# KiCad board panel_joined.kicad_pcb (continued)
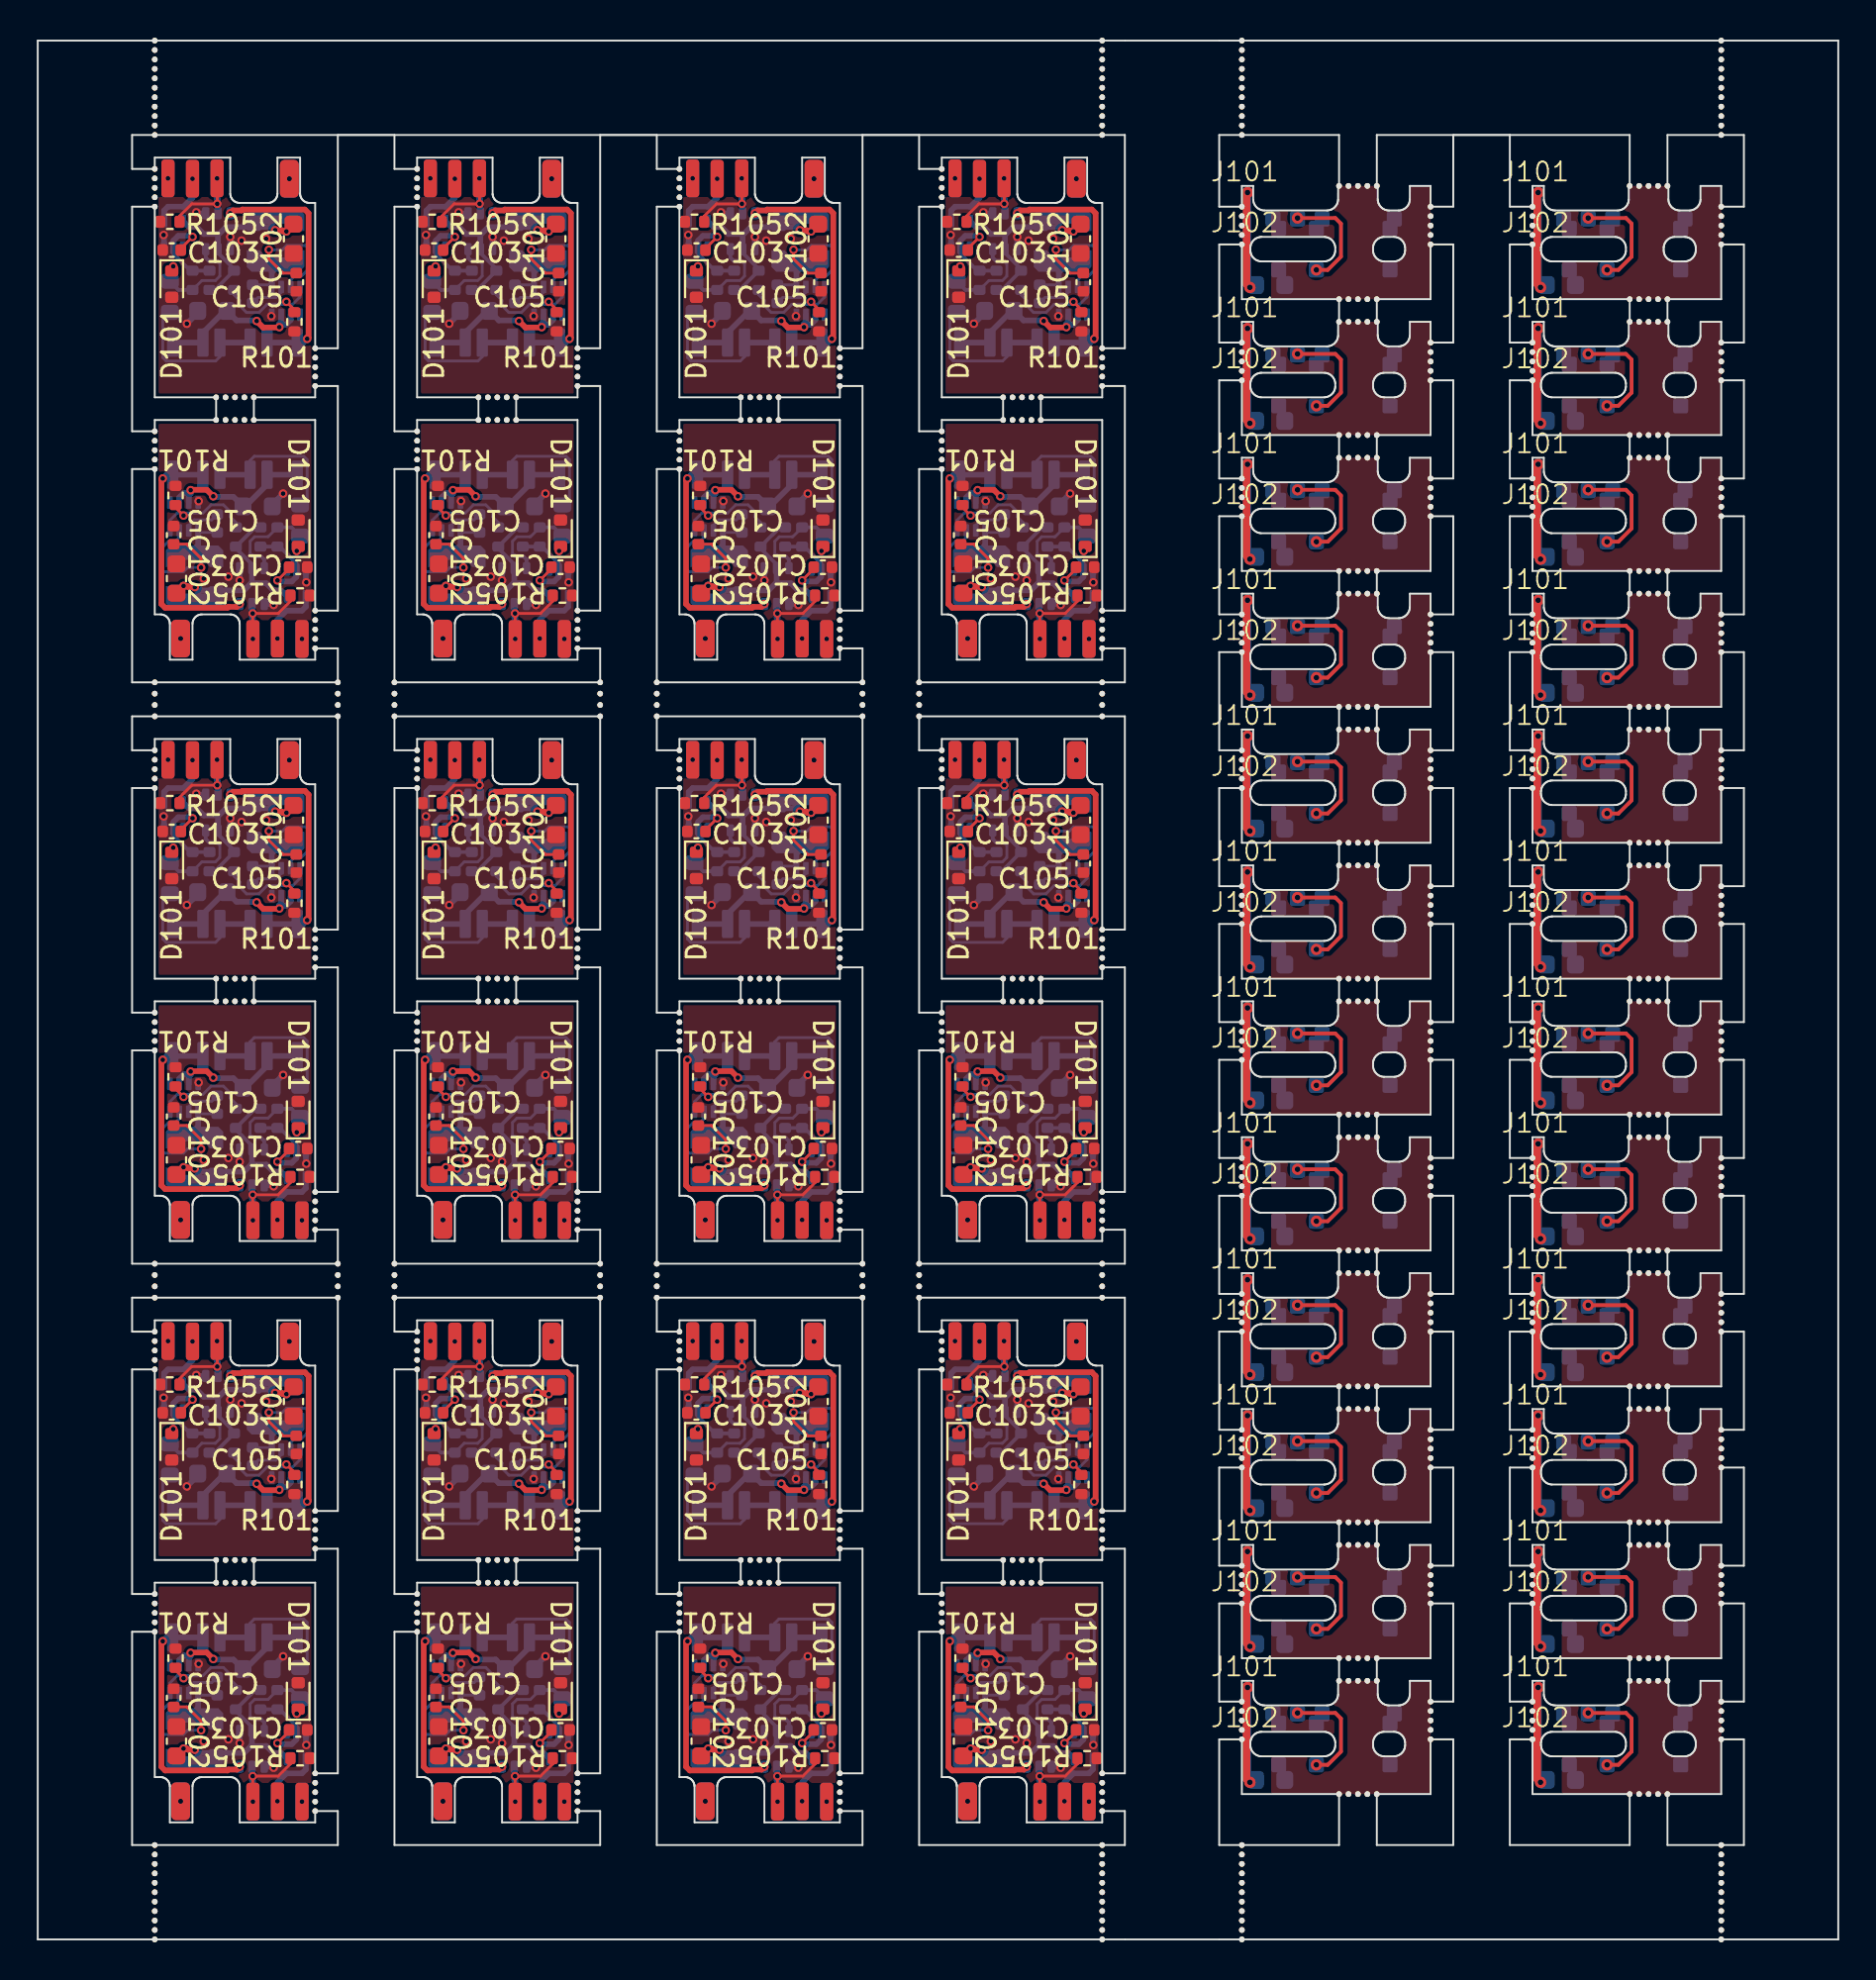
[diagram p0: board, top side]
## Routing (per net, layer and track width the routed paths; a pad name or vN(x,y) marks a point on that pad's centre or on a via; arc(x,y) is an arc through that point) (continued)
Board_1-Board_9-/IO5: length 6
  Top w0.2: v2(82.15,62.4) 84.15,62.4 84.45,62.1 84.45,60.35 83.75,59.65 v2(83.15,59.65)
  Bottom w0.2: 82.2,62.3 82.1,62.5 ; J101#24.2 v2(82.15,62.4)
Board_1-Board_9-unconnected-(AE101-Shield-Pad2): length 11
  Top w0.4: 79.45,63.8 79.45,58.9 79.7,58.65
  Bottom w0.4: AE101#21.2 79.75,58.85 v2(79.62,58.72) ; 79.45,58.9 79.7,58.65 ; 79.45,58.9 79.45,58.92 ; 79.45,58.9 79.5,58.95 79.5,60.41 79.44,60.47 79.44,61.03 79.5,61.09 v2(79.5,63.75) 79.45,63.8
Board_1-Board_10-/IO5: length 6
  Top w0.2: v2(66.75,55.2) 68.75,55.2 69.05,54.9 69.05,53.15 68.35,52.45 v2(67.75,52.45)
  Bottom w0.2: J101#3.2 v2(66.75,55.2) ; 66.8,55.1 66.7,55.3
Board_1-Board_10-unconnected-(AE101-Shield-Pad2): length 11
  Top w0.4: 64.3,51.45 64.05,51.7 64.05,56.6
  Bottom w0.4: 64.05,51.7 64.1,51.75 64.1,53.21 64.04,53.27 64.04,53.83 64.1,53.89 v2(64.1,56.55) 64.05,56.6 ; 64.05,51.7 64.3,51.45 ; 64.05,51.7 64.05,51.72 ; AE101#4.2 64.35,51.65 v2(64.22,51.52)
Board_1-Board_11-/IO5: length 6
  Top w0.2: v2(83.15,52.45) 83.75,52.45 84.45,53.15 84.45,54.9 84.15,55.2 v2(82.15,55.2)
  Bottom w0.2: 82.2,55.1 82.1,55.3 ; J101#18.2 v2(82.15,55.2)
Board_1-Board_11-unconnected-(AE101-Shield-Pad2): length 11
  Top w0.4: 79.7,51.45 79.45,51.7 79.45,56.6
  Bottom w0.4: v2(79.62,51.52) 79.75,51.65 AE101#11.2 ; 79.45,56.6 v2(79.5,56.55) 79.5,53.89 79.44,53.83 79.44,53.27 79.5,53.21 79.5,51.75 79.45,51.7 ; 79.45,51.7 79.7,51.45 ; 79.45,51.7 79.45,51.72
Board_1-Board_12-/IO5: length 6
  Top w0.2: v2(66.75,48) 68.75,48 69.05,47.7 69.05,45.95 68.35,45.25 v2(67.75,45.25)
  Bottom w0.2: J101#20.2 v2(66.75,48) ; 66.8,47.9 66.7,48.1
Board_1-Board_12-unconnected-(AE101-Shield-Pad2): length 11
  Top w0.4: 64.3,44.25 64.05,44.5 64.05,49.4
  Bottom w0.4: 64.05,49.4 v2(64.1,49.35) 64.1,46.69 64.04,46.63 64.04,46.07 64.1,46.01 64.1,44.55 64.05,44.5 ; AE101#17.2 64.35,44.45 v2(64.22,44.32) ; 64.05,44.5 64.3,44.25 ; 64.05,44.5 64.05,44.52
Board_1-Board_13-/IO5: length 6
  Top w0.2: v2(83.15,45.25) 83.75,45.25 84.45,45.95 84.45,47.7 84.15,48 v2(82.15,48)
  Bottom w0.2: J101#23.2 v2(82.15,48) ; 82.2,47.9 82.1,48.1
Board_1-Board_13-unconnected-(AE101-Shield-Pad2): length 11
  Top w0.4: 79.7,44.25 79.45,44.5 79.45,49.4
  Bottom w0.4: v2(79.62,44.32) 79.75,44.45 AE101.2 ; 79.45,44.52 79.45,44.5 ; 79.45,44.5 79.5,44.55 79.5,46.01 79.44,46.07 79.44,46.63 79.5,46.69 v2(79.5,49.35) 79.45,49.4 ; 79.45,44.5 79.7,44.25
Board_1-Board_14-/IO5: length 6
  Top w0.2: v2(67.75,38.05) 68.35,38.05 69.05,38.75 69.05,40.5 68.75,40.8 v2(66.75,40.8)
  Bottom w0.2: 66.8,40.7 66.7,40.9 ; J101#16.2 v2(66.75,40.8)
Board_1-Board_14-unconnected-(AE101-Shield-Pad2): length 11
  Top w0.4: 64.05,42.2 64.05,37.3 64.3,37.05
  Bottom w0.4: AE101#20.2 64.35,37.25 v2(64.22,37.12) ; 64.05,37.3 64.1,37.35 64.1,38.81 64.04,38.87 64.04,39.43 64.1,39.49 v2(64.1,42.15) 64.05,42.2 ; 64.05,37.3 64.05,37.32 ; 64.05,37.3 64.3,37.05
Board_1-Board_15-/IO5: length 6
  Top w0.2: v2(83.15,38.05) 83.75,38.05 84.45,38.75 84.45,40.5 84.15,40.8 v2(82.15,40.8)
  Bottom w0.2: J101#15.2 v2(82.15,40.8) ; 82.2,40.7 82.1,40.9
Board_1-Board_15-unconnected-(AE101-Shield-Pad2): length 11
  Top w0.4: 79.45,42.2 79.45,37.3 79.7,37.05
  Bottom w0.4: AE101#10.2 79.75,37.25 v2(79.62,37.12) ; 79.45,42.2 v2(79.5,42.15) 79.5,39.49 79.44,39.43 79.44,38.87 79.5,38.81 79.5,37.35 79.45,37.3 ; 79.45,37.3 79.7,37.05 ; 79.45,37.3 79.45,37.32
Board_1-Board_16-/IO5: length 6
  Top w0.2: v2(66.75,33.6) 68.75,33.6 69.05,33.3 69.05,31.55 68.35,30.85 v2(67.75,30.85)
  Bottom w0.2: 66.8,33.5 66.7,33.7 ; J101#2.2 v2(66.75,33.6)
Board_1-Board_16-unconnected-(AE101-Shield-Pad2): length 11
  Top w0.4: 64.3,29.85 64.05,30.1 64.05,35
  Bottom w0.4: AE101#15.2 64.35,30.05 v2(64.22,29.92) ; 64.05,30.1 64.1,30.15 64.1,31.61 64.04,31.67 64.04,32.23 64.1,32.29 v2(64.1,34.95) 64.05,35 ; 64.05,30.1 64.3,29.85 ; 64.05,30.1 64.05,30.12
Board_1-Board_17-/IO5: length 6
  Top w0.2: v2(83.15,30.85) 83.75,30.85 84.45,31.55 84.45,33.3 84.15,33.6 v2(82.15,33.6)
  Bottom w0.2: J101#22.2 v2(82.15,33.6) ; 82.2,33.5 82.1,33.7
Board_1-Board_17-unconnected-(AE101-Shield-Pad2): length 11
  Top w0.4: 79.45,35 79.45,30.1 79.7,29.85
  Bottom w0.4: v2(79.62,29.92) 79.75,30.05 AE101#13.2 ; 79.45,30.12 79.45,30.1 ; 79.45,30.1 79.5,30.15 79.5,31.61 79.44,31.67 79.44,32.23 79.5,32.29 v2(79.5,34.95) 79.45,35 ; 79.45,30.1 79.7,29.85
Board_1-Board_18-/IO5: length 6
  Top w0.2: v2(66.75,26.4) 68.75,26.4 69.05,26.1 69.05,24.35 68.35,23.65 v2(67.75,23.65)
  Bottom w0.2: J101#13.2 v2(66.75,26.4) ; 66.8,26.3 66.7,26.5
Board_1-Board_18-unconnected-(AE101-Shield-Pad2): length 11
  Top w0.4: 64.05,27.8 64.05,22.9 64.3,22.65
  Bottom w0.4: 64.05,22.9 64.3,22.65 ; 64.05,22.9 64.1,22.95 64.1,24.41 64.04,24.47 64.04,25.03 64.1,25.09 v2(64.1,27.75) 64.05,27.8 ; 64.05,22.9 64.05,22.92 ; AE101#16.2 64.35,22.85 v2(64.22,22.72)
Board_1-Board_19-/IO5: length 6
  Top w0.2: v2(82.15,26.4) 84.15,26.4 84.45,26.1 84.45,24.35 83.75,23.65 v2(83.15,23.65)
  Bottom w0.2: J101#21.2 v2(82.15,26.4) ; 82.2,26.3 82.1,26.5
Board_1-Board_19-unconnected-(AE101-Shield-Pad2): length 11
  Top w0.4: 79.45,27.8 79.45,22.9 79.7,22.65
  Bottom w0.4: 79.45,22.9 79.5,22.95 79.5,24.41 79.44,24.47 79.44,25.03 79.5,25.09 v2(79.5,27.75) 79.45,27.8 ; 79.45,22.9 79.7,22.65 ; 79.45,22.9 79.45,22.92 ; v2(79.62,22.72) 79.75,22.85 AE101#9.2
Board_1-Board_20-/IO5: length 6
  Top w0.2: v2(66.75,19.2) 68.75,19.2 69.05,18.9 69.05,17.15 68.35,16.45 v2(67.75,16.45)
  Bottom w0.2: J101#4.2 v2(66.75,19.2) ; 66.8,19.1 66.7,19.3
Board_1-Board_20-unconnected-(AE101-Shield-Pad2): length 11
  Top w0.4: 64.05,20.6 64.05,15.7 64.3,15.45
  Bottom w0.4: 64.05,15.7 64.3,15.45 ; 64.05,15.7 64.1,15.75 64.1,17.21 64.04,17.27 64.04,17.83 64.1,17.89 v2(64.1,20.55) 64.05,20.6 ; 64.05,15.7 64.05,15.72 ; v2(64.22,15.52) 64.35,15.65 AE101#23.2
Board_1-Board_21-/IO5: length 6
  Top w0.2: v2(83.15,16.45) 83.75,16.45 84.45,17.15 84.45,18.9 84.15,19.2 v2(82.15,19.2)
  Bottom w0.2: 82.2,19.1 82.1,19.3 ; J101#11.2 v2(82.15,19.2)
Board_1-Board_21-unconnected-(AE101-Shield-Pad2): length 11
  Top w0.4: 79.45,20.6 79.45,15.7 79.7,15.45
  Bottom w0.4: 79.45,15.72 79.45,15.7 ; 79.45,15.7 79.5,15.75 79.5,17.21 79.44,17.27 79.44,17.83 79.5,17.89 v2(79.5,20.55) 79.45,20.6 ; 79.45,15.7 79.7,15.45 ; v2(79.62,15.52) 79.75,15.65 AE101#18.2
Board_1-Board_22-/IO5: length 6
  Top w0.2: v2(66.75,12) 68.75,12 69.05,11.7 69.05,9.95 68.35,9.25 v2(67.75,9.25)
  Bottom w0.2: 66.8,11.9 66.7,12.1 ; J101#14.2 v2(66.75,12)
Board_1-Board_22-unconnected-(AE101-Shield-Pad2): length 11
  Top w0.4: 64.05,13.4 64.05,8.5 64.3,8.25
  Bottom w0.4: 64.05,8.5 64.3,8.25 ; 64.05,8.5 64.05,8.52 ; 64.05,8.5 64.1,8.55 64.1,10.01 64.04,10.07 64.04,10.63 64.1,10.69 v2(64.1,13.35) 64.05,13.4 ; v2(64.22,8.32) 64.35,8.45 AE101#24.2
Board_1-Board_23-/IO5: length 6
  Top w0.2: v2(82.15,12) 84.15,12 84.45,11.7 84.45,9.95 83.75,9.25 v2(83.15,9.25)
  Bottom w0.2: 82.2,11.9 82.1,12.1 ; J101.2 v2(82.15,12)
Board_1-Board_23-unconnected-(AE101-Shield-Pad2): length 11
  Top w0.4: 79.45,13.4 79.45,8.5 79.7,8.25
  Bottom w0.4: AE101#22.2 79.75,8.45 v2(79.62,8.32) ; 79.45,13.4 v2(79.5,13.35) 79.5,10.69 79.44,10.63 79.44,10.07 79.5,10.01 79.5,8.55 79.45,8.5 ; 79.45,8.5 79.7,8.25 ; 79.45,8.5 79.45,8.52

## Copper pours and planes (outline as drawn; the poured copper is in the pictures)
Board_0-Board_0-+3V3 on Bottom: 14.7,95 14.7,90.3 11.3,90.3 11.3,95
Board_0-Board_0-/SW on Bottom: 11.1,89.6 14.7,89.6 14.7,88.1 11.1,88.1
Board_0-Board_0-GND on Top: 6.2,81.7 14.7,81.7 14.7,92.31 6.2,92.31
Board_0-Board_1-+3V3 on Bottom: 28.6,95 28.6,90.3 25.2,90.3 25.2,95
Board_0-Board_1-/SW on Bottom: 25,89.6 28.6,89.6 28.6,88.1 25,88.1
Board_0-Board_1-GND on Top: 20.1,81.7 28.6,81.7 28.6,92.31 20.1,92.31
Board_0-Board_2-+3V3 on Bottom: 42.5,95 42.5,90.3 39.1,90.3 39.1,95
Board_0-Board_2-/SW on Bottom: 38.9,89.6 42.5,89.6 42.5,88.1 38.9,88.1
Board_0-Board_2-GND on Top: 34,81.7 42.5,81.7 42.5,92.31 34,92.31
Board_0-Board_3-+3V3 on Bottom: 56.4,95 56.4,90.3 53,90.3 53,95
Board_0-Board_3-/SW on Bottom: 52.8,89.6 56.4,89.6 56.4,88.1 52.8,88.1
Board_0-Board_3-GND on Top: 47.9,81.7 56.4,81.7 56.4,92.31 47.9,92.31
Board_0-Board_4-+3V3 on Bottom: 6.2,67.2 6.2,71.9 9.6,71.9 9.6,67.2
Board_0-Board_4-/SW on Bottom: 9.8,72.6 6.2,72.6 6.2,74.1 9.8,74.1
Board_0-Board_4-GND on Top: 14.7,80.5 6.2,80.5 6.2,69.89 14.7,69.89
Board_0-Board_5-+3V3 on Bottom: 20.1,67.2 20.1,71.9 23.5,71.9 23.5,67.2
Board_0-Board_5-/SW on Bottom: 23.7,72.6 20.1,72.6 20.1,74.1 23.7,74.1
Board_0-Board_5-GND on Top: 28.6,80.5 20.1,80.5 20.1,69.89 28.6,69.89
Board_0-Board_6-+3V3 on Bottom: 34,67.2 34,71.9 37.4,71.9 37.4,67.2
Board_0-Board_6-/SW on Bottom: 37.6,72.6 34,72.6 34,74.1 37.6,74.1
Board_0-Board_6-GND on Top: 42.5,80.5 34,80.5 34,69.89 42.5,69.89
Board_0-Board_7-+3V3 on Bottom: 47.9,67.2 47.9,71.9 51.3,71.9 51.3,67.2
Board_0-Board_7-/SW on Bottom: 51.5,72.6 47.9,72.6 47.9,74.1 51.5,74.1
Board_0-Board_7-GND on Top: 56.4,80.5 47.9,80.5 47.9,69.89 56.4,69.89
Board_0-Board_8-+3V3 on Bottom: 14.7,64.2 14.7,59.5 11.3,59.5 11.3,64.2
Board_0-Board_8-/SW on Bottom: 11.1,58.8 14.7,58.8 14.7,57.3 11.1,57.3
Board_0-Board_8-GND on Top: 6.2,50.9 14.7,50.9 14.7,61.51 6.2,61.51
Board_0-Board_9-+3V3 on Bottom: 28.6,64.2 28.6,59.5 25.2,59.5 25.2,64.2
Board_0-Board_9-/SW on Bottom: 25,58.8 28.6,58.8 28.6,57.3 25,57.3
Board_0-Board_9-GND on Top: 20.1,50.9 28.6,50.9 28.6,61.51 20.1,61.51
Board_0-Board_10-+3V3 on Bottom: 42.5,64.2 42.5,59.5 39.1,59.5 39.1,64.2
Board_0-Board_10-/SW on Bottom: 38.9,58.8 42.5,58.8 42.5,57.3 38.9,57.3
Board_0-Board_10-GND on Top: 34,50.9 42.5,50.9 42.5,61.51 34,61.51
Board_0-Board_11-+3V3 on Bottom: 56.4,64.2 56.4,59.5 53,59.5 53,64.2
Board_0-Board_11-/SW on Bottom: 52.8,58.8 56.4,58.8 56.4,57.3 52.8,57.3
Board_0-Board_11-GND on Top: 47.9,50.9 56.4,50.9 56.4,61.51 47.9,61.51
Board_0-Board_12-+3V3 on Bottom: 6.2,36.4 6.2,41.1 9.6,41.1 9.6,36.4
Board_0-Board_12-/SW on Bottom: 9.8,41.8 6.2,41.8 6.2,43.3 9.8,43.3
Board_0-Board_12-GND on Top: 14.7,49.7 6.2,49.7 6.2,39.09 14.7,39.09
Board_0-Board_13-+3V3 on Bottom: 20.1,36.4 20.1,41.1 23.5,41.1 23.5,36.4
Board_0-Board_13-/SW on Bottom: 23.7,41.8 20.1,41.8 20.1,43.3 23.7,43.3
Board_0-Board_13-GND on Top: 28.6,49.7 20.1,49.7 20.1,39.09 28.6,39.09
Board_0-Board_14-+3V3 on Bottom: 34,36.4 34,41.1 37.4,41.1 37.4,36.4
Board_0-Board_14-/SW on Bottom: 37.6,41.8 34,41.8 34,43.3 37.6,43.3
Board_0-Board_14-GND on Top: 42.5,49.7 34,49.7 34,39.09 42.5,39.09
Board_0-Board_15-+3V3 on Bottom: 47.9,36.4 47.9,41.1 51.3,41.1 51.3,36.4
Board_0-Board_15-/SW on Bottom: 51.5,41.8 47.9,41.8 47.9,43.3 51.5,43.3
Board_0-Board_15-GND on Top: 56.4,49.7 47.9,49.7 47.9,39.09 56.4,39.09
Board_0-Board_16-+3V3 on Bottom: 14.7,33.4 14.7,28.7 11.3,28.7 11.3,33.4
Board_0-Board_16-/SW on Bottom: 11.1,28 14.7,28 14.7,26.5 11.1,26.5
Board_0-Board_16-GND on Top: 6.2,20.1 14.7,20.1 14.7,30.71 6.2,30.71
Board_0-Board_17-+3V3 on Bottom: 28.6,33.4 28.6,28.7 25.2,28.7 25.2,33.4
Board_0-Board_17-/SW on Bottom: 25,28 28.6,28 28.6,26.5 25,26.5
Board_0-Board_17-GND on Top: 20.1,20.1 28.6,20.1 28.6,30.71 20.1,30.71
Board_0-Board_18-+3V3 on Bottom: 42.5,33.4 42.5,28.7 39.1,28.7 39.1,33.4
Board_0-Board_18-/SW on Bottom: 38.9,28 42.5,28 42.5,26.5 38.9,26.5
Board_0-Board_18-GND on Top: 34,20.1 42.5,20.1 42.5,30.71 34,30.71
Board_0-Board_19-+3V3 on Bottom: 56.4,33.4 56.4,28.7 53,28.7 53,33.4
Board_0-Board_19-/SW on Bottom: 52.8,28 56.4,28 56.4,26.5 52.8,26.5
Board_0-Board_19-GND on Top: 47.9,20.1 56.4,20.1 56.4,30.71 47.9,30.71
Board_0-Board_20-+3V3 on Bottom: 6.2,5.6 6.2,10.3 9.6,10.3 9.6,5.6
Board_0-Board_20-/SW on Bottom: 9.8,11 6.2,11 6.2,12.5 9.8,12.5
Board_0-Board_20-GND on Top: 14.7,18.9 6.2,18.9 6.2,8.29 14.7,8.29
Board_0-Board_21-+3V3 on Bottom: 20.1,5.6 20.1,10.3 23.5,10.3 23.5,5.6
Board_0-Board_21-/SW on Bottom: 23.7,11 20.1,11 20.1,12.5 23.7,12.5
Board_0-Board_21-GND on Top: 28.6,18.9 20.1,18.9 20.1,8.29 28.6,8.29
Board_0-Board_22-+3V3 on Bottom: 34,5.6 34,10.3 37.4,10.3 37.4,5.6
Board_0-Board_22-/SW on Bottom: 37.6,11 34,11 34,12.5 37.6,12.5
Board_0-Board_22-GND on Top: 42.5,18.9 34,18.9 34,8.29 42.5,8.29
Board_0-Board_23-+3V3 on Bottom: 47.9,5.6 47.9,10.3 51.3,10.3 51.3,5.6
Board_0-Board_23-/SW on Bottom: 51.5,11 47.9,11 47.9,12.5 51.5,12.5
Board_0-Board_23-GND on Top: 56.4,18.9 47.9,18.9 47.9,8.29 56.4,8.29
Board_1-Board_0-unconnected-(AE101-Shield-Pad2) on Top, Bottom: 65.35,86.9 73.8,86.9 73.8,92.9 65.35,92.9
Board_1-Board_1-unconnected-(AE101-Shield-Pad2) on Top, Bottom: 80.75,86.9 89.2,86.9 89.2,92.9 80.75,92.9
Board_1-Board_2-unconnected-(AE101-Shield-Pad2) on Top, Bottom: 65.35,79.7 73.8,79.7 73.8,85.7 65.35,85.7
Board_1-Board_3-unconnected-(AE101-Shield-Pad2) on Top, Bottom: 80.75,79.7 89.2,79.7 89.2,85.7 80.75,85.7
Board_1-Board_4-unconnected-(AE101-Shield-Pad2) on Top, Bottom: 65.35,72.5 73.8,72.5 73.8,78.5 65.35,78.5
Board_1-Board_5-unconnected-(AE101-Shield-Pad2) on Top, Bottom: 80.75,72.5 89.2,72.5 89.2,78.5 80.75,78.5
Board_1-Board_6-unconnected-(AE101-Shield-Pad2) on Top, Bottom: 65.35,65.3 73.8,65.3 73.8,71.3 65.35,71.3
Board_1-Board_7-unconnected-(AE101-Shield-Pad2) on Top, Bottom: 80.75,65.3 89.2,65.3 89.2,71.3 80.75,71.3
Board_1-Board_8-unconnected-(AE101-Shield-Pad2) on Top, Bottom: 65.35,58.1 73.8,58.1 73.8,64.1 65.35,64.1
Board_1-Board_9-unconnected-(AE101-Shield-Pad2) on Top, Bottom: 80.75,58.1 89.2,58.1 89.2,64.1 80.75,64.1
Board_1-Board_10-unconnected-(AE101-Shield-Pad2) on Top, Bottom: 65.35,50.9 73.8,50.9 73.8,56.9 65.35,56.9
Board_1-Board_11-unconnected-(AE101-Shield-Pad2) on Top, Bottom: 80.75,50.9 89.2,50.9 89.2,56.9 80.75,56.9
Board_1-Board_12-unconnected-(AE101-Shield-Pad2) on Top, Bottom: 65.35,43.7 73.8,43.7 73.8,49.7 65.35,49.7
Board_1-Board_13-unconnected-(AE101-Shield-Pad2) on Top, Bottom: 80.75,43.7 89.2,43.7 89.2,49.7 80.75,49.7
Board_1-Board_14-unconnected-(AE101-Shield-Pad2) on Top, Bottom: 65.35,36.5 73.8,36.5 73.8,42.5 65.35,42.5
Board_1-Board_15-unconnected-(AE101-Shield-Pad2) on Top, Bottom: 80.75,36.5 89.2,36.5 89.2,42.5 80.75,42.5
Board_1-Board_16-unconnected-(AE101-Shield-Pad2) on Top, Bottom: 65.35,29.3 73.8,29.3 73.8,35.3 65.35,35.3
Board_1-Board_17-unconnected-(AE101-Shield-Pad2) on Top, Bottom: 80.75,29.3 89.2,29.3 89.2,35.3 80.75,35.3
Board_1-Board_18-unconnected-(AE101-Shield-Pad2) on Top, Bottom: 65.35,22.1 73.8,22.1 73.8,28.1 65.35,28.1
Board_1-Board_19-unconnected-(AE101-Shield-Pad2) on Top, Bottom: 80.75,22.1 89.2,22.1 89.2,28.1 80.75,28.1
Board_1-Board_20-unconnected-(AE101-Shield-Pad2) on Top, Bottom: 65.35,14.9 73.8,14.9 73.8,20.9 65.35,20.9
Board_1-Board_21-unconnected-(AE101-Shield-Pad2) on Top, Bottom: 80.75,14.9 89.2,14.9 89.2,20.9 80.75,20.9
Board_1-Board_22-unconnected-(AE101-Shield-Pad2) on Top, Bottom: 65.35,7.7 73.8,7.7 73.8,13.7 65.35,13.7
Board_1-Board_23-unconnected-(AE101-Shield-Pad2) on Top, Bottom: 80.75,7.7 89.2,7.7 89.2,13.7 80.75,13.7
